# KiCad board main - copyOK.kicad_pcb (continued)
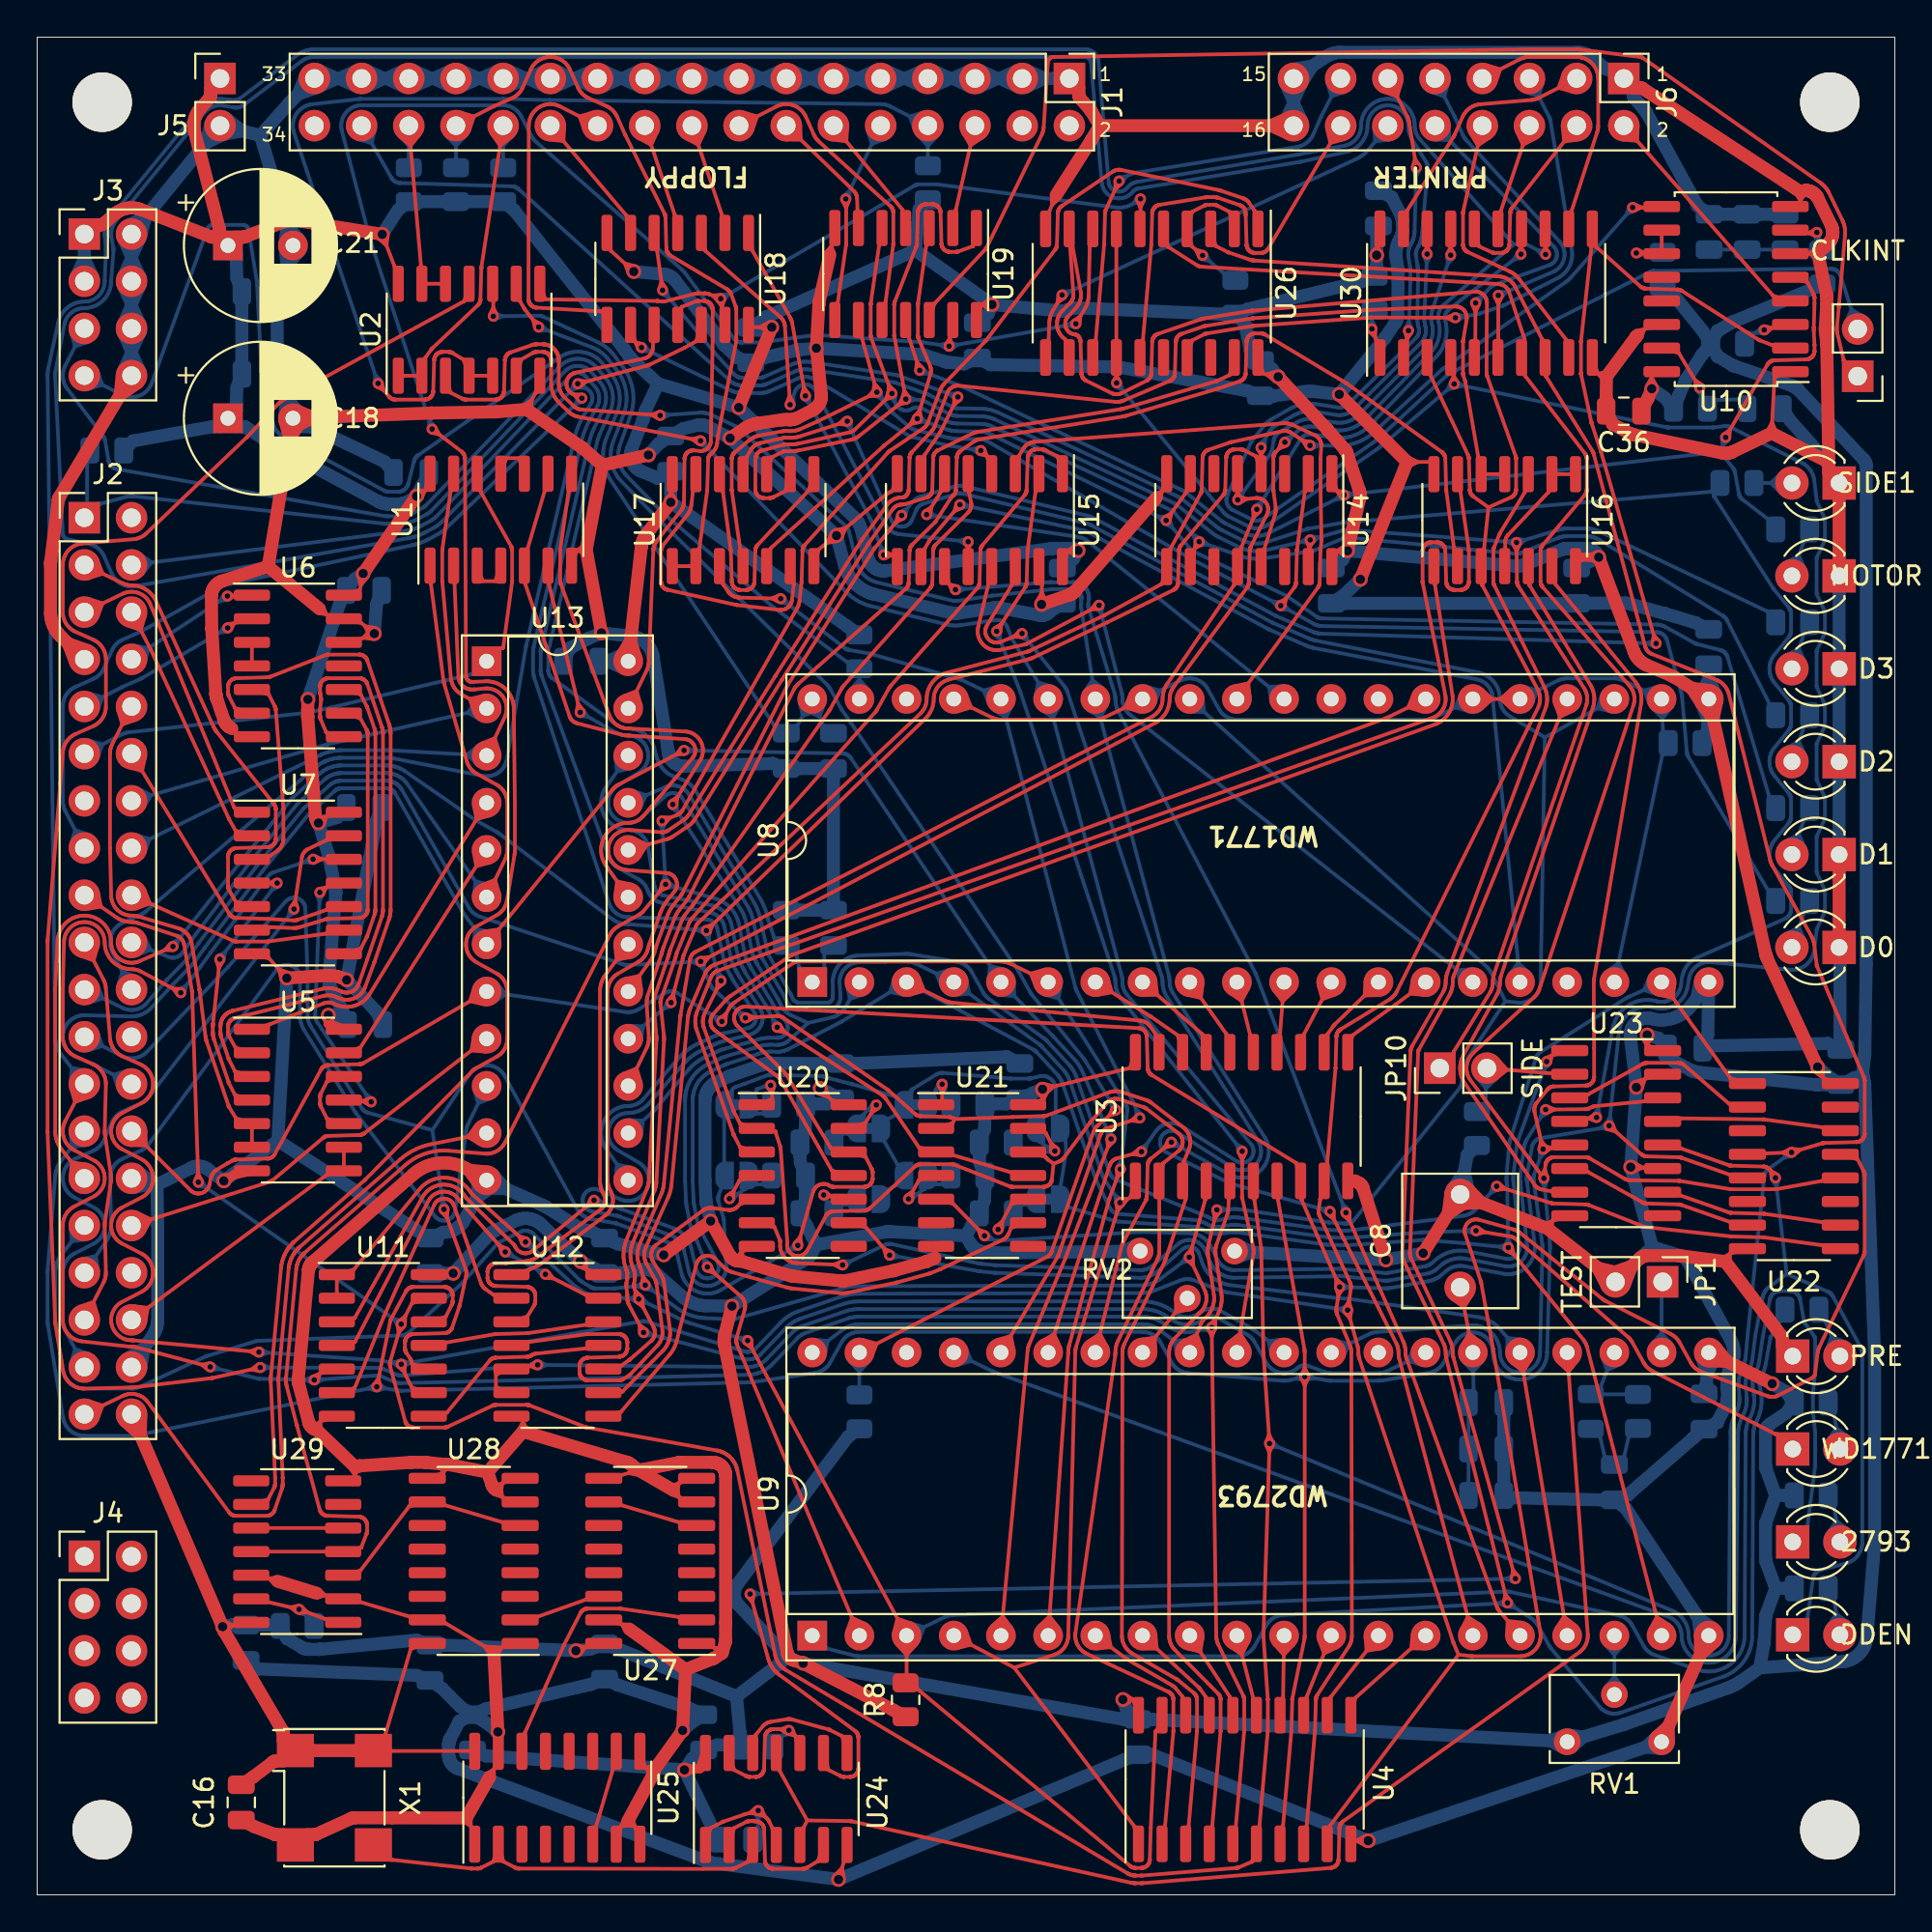
[diagram p0: board, top side]
## Routing (per net, layer and track width the routed paths; a pad name or vN(x,y) marks a point on that pad's centre or on a via; arc(x,y) is an arc through that point) (continued)
~{CDDEN}: length 105.6
  Top w0.2: U23.12 88.49,40.18 91.06,39.28 91.08,39.27 91.12,39.26 91.14,39.26 91.16,39.26 91.21,39.25 92.92,39.2 92.97,39.2 92.99,39.2 93.02,39.19 93.05,39.18 93.08,39.17 93.12,39.15 93.14,39.14 93.17,39.13 93.2,39.11 93.22,39.09 93.23,39.08 93.25,39.05 93.27,39.03 93.28,39.02 93.3,38.99 v2(93.57,38.6) ; 93.38,38.56 93.3,38.99 93.68,38.77
  Bottom w0.2: 93.77,38.54 93.63,38.12 93.4,38.49 ; 94.18,33.42 96.38,32.47 96.44,32.44 96.46,32.43 96.48,32.42 96.52,32.39 96.54,32.37 96.56,32.36 96.59,32.32 96.61,32.3 96.62,32.29 96.65,32.25 96.66,32.22 98.1,29.58 98.13,29.53 98.15,29.48 98.17,29.43 98.19,29.38 98.21,29.32 98.22,29.27 98.23,29.22 98.24,29.16 98.25,29.11 98.25,29.05 98.25,29 98.25,19 98.25,18.93 98.24,18.86 98.23,18.79 98.22,18.72 98.2,18.66 98.18,18.59 98.15,18.53 98.12,18.46 98.09,18.4 98.06,18.34 98.02,18.28 97.97,18.23 97.93,18.18 97.88,18.13 97.83,18.08 97.77,18.04 97.72,18 97.66,17.96 97.6,17.93 97.53,17.89 97.47,17.87 97.4,17.85 97.34,17.83 96.03,17.5 95.97,17.48 95.95,17.47 95.93,17.47 95.88,17.44 95.86,17.43 95.85,17.42 ; 94.18,33.42 93.23,32.72 93.21,32.7 93.18,32.68 93.16,32.65 93.12,32.62 93.11,32.6 93.09,32.59 93.08,32.57 93.07,32.56 93.06,32.54 93.02,32.49 93.01,32.47 92.99,32.45 92.98,32.44 92.97,32.42 92.96,32.4 92.94,32.36 92.93,32.32 92.92,32.3 92.91,32.28 92.91,32.26 92.9,32.24 92.89,32.2 92.88,32.16 92.87,32.13 92.49,30.11 92.48,30.07 92.48,30.04 92.34,28.91 92.33,28.81 92.31,28.72 92.29,28.62 92.26,28.52 92.23,28.43 92.2,28.34 92.16,28.25 92.12,28.16 92.11,28.14 92.08,28.08 92.06,28.02 92.04,27.96 92.02,27.89 92,27.83 91.99,27.77 91.98,27.7 91.97,27.64 91.97,27.57 91.97,27.51 91.97,27.44 91.97,27.38 91.98,27.36 92.02,26.86 92.03,26.81 92.03,26.79 92.03,26.76 92.03,26.73 92.03,26.7 92.03,26.68 92.03,26.61 92.03,26.53 92.02,26.46 92.02,26.39 92,26.32 91.99,26.25 91.97,26.18 91.95,26.11 91.93,26.04 91.9,25.97 91.87,25.91 91.84,25.86 91.81,25.8 91.8,25.77 91.78,25.74 91.77,25.71 91.75,25.67 91.72,25.59 91.69,25.51 91.66,25.43 91.63,25.34 91.61,25.26 91.59,25.17 91.58,25.08 91.57,25 91.56,24.91 91.56,24.82 91.44,13.94 91.44,13.85 91.43,13.76 91.41,13.67 91.39,13.58 91.37,13.49 91.33,13.4 91.3,13.32 91.25,13.24 91.21,13.16 91.16,13.09 91.1,13.01 91.04,12.95 90.97,12.88 90.9,12.82 90.83,12.77 90.76,12.72 90.68,12.67 90.59,12.63 90.51,12.59 90.42,12.56 90.34,12.54 90.25,12.52 90.16,12.51 90.07,12.5 89.97,12.5 89.88,12.5 89.79,12.51 89.7,12.52 89.61,12.54 89.52,12.57 89.44,12.6 89.36,12.64 89.27,12.68 89.2,12.72 89.12,12.78 89.05,12.83 88.98,12.89 88.92,12.96 88.85,13.03 88.8,13.1 88.75,13.18 88.7,13.25 88.66,13.34 88.62,13.42 88.59,13.51 88.57,13.59 88.55,13.68 88.53,13.77 88.52,13.86 88.52,13.95 88.52,14.01 88.52,14.07 88.51,14.13 88.5,14.19 88.48,14.25 88.46,14.31 88.44,14.36 88.42,14.42 88.39,14.47 88.36,14.52 88.33,14.57 88.29,14.62 88.25,14.67 88.21,14.71 88.17,14.75 88.12,14.79 88.07,14.83 88.03,14.86 87.97,14.89 87.92,14.92 87.87,14.95 87.81,14.97 51.5,28.15 51.48,28.16 51.46,28.17 51.44,28.18 51.42,28.19 51.4,28.2 U9.37 ; 94.18,33.42 v2(93.57,38.6) ; D4.1 95.3,14.8 95.3,14.9 95.3,14.91 95.6,17.04 95.6,17.07 95.62,17.13 95.63,17.15 95.63,17.17 95.66,17.22 95.67,17.24 95.68,17.25 95.71,17.3 95.73,17.32 95.74,17.33 95.78,17.37 95.8,17.39 95.81,17.4 95.85,17.42 ; 49.54,28.52 50.28,28.74 49.99,29.45
~{DENSEL}: length 29.2
  Top w0.2: 24.3,33.74 24.28,33.71 24.27,33.68 24.26,33.67 24.26,33.63 24.25,33.61 24.25,33.56 24.25,33.54 24.25,33.24 24.25,33.21 24.25,33.17 24.25,33.15 24.26,33.13 24.27,33.1 24.28,33.07 24.28,33.05 ; 31.12,51.1 31.19,50.33 31.95,50.48 ; 24.29,33.74 24.31,33.77 24.32,33.79 24.34,33.82 24.36,33.84 24.38,33.86 24.4,33.88 24.42,33.9 24.46,33.93 24.48,33.94 24.52,33.96 24.55,33.97 24.57,33.98 24.61,33.99 24.63,33.99 24.69,34 24.71,34 25.19,34 25.22,34 25.25,34 25.26,34 26.4,34.13 26.45,34.14 26.5,34.15 26.55,34.16 26.6,34.17 26.64,34.19 26.69,34.2 26.73,34.22 26.78,34.25 26.82,34.27 26.86,34.3 26.9,34.33 30.34,36.9 30.37,36.93 30.4,36.95 30.42,36.97 30.44,37 30.47,37.03 30.49,37.06 30.51,37.09 30.52,37.12 30.54,37.15 30.55,37.18 30.56,37.22 30.57,37.25 30.58,37.29 30.58,37.32 30.59,37.36 30.59,37.39 30.59,37.43 30.58,37.46 30.58,37.5 30.57,37.53 30.56,37.57 30.55,37.6 30.54,37.63 30.52,37.67 30.5,37.7 30.5,37.7 30.47,37.77 30.43,37.83 30.41,37.9 30.38,37.97 30.36,38.04 30.34,38.11 30.32,38.18 30.31,38.25 30.3,38.32 30.3,38.39 30.3,38.47 30.3,48.63 30.3,48.7 30.3,48.78 30.31,48.85 30.33,48.92 30.34,49 30.36,49.07 30.39,49.14 30.41,49.21 30.44,49.28 30.48,49.35 30.51,49.41 30.55,49.47 30.6,49.54 U13.18 ; 24.28,33.05 24.3,33.02 24.31,33 24.34,32.96 24.35,32.94 24.37,32.92 24.4,32.9 24.42,32.88 24.43,32.87 ; U12.3 26.39,31.14 26.4,31.15 26.75,31.73 26.77,31.76 26.78,31.79 26.79,31.82 26.8,31.83 26.81,31.87 26.81,31.89 26.81,31.91 26.82,31.96 26.82,31.97 26.82,32.27 26.82,32.29 26.81,32.33 26.81,32.35 26.8,32.37 26.79,32.41 26.79,32.43 26.78,32.45 26.76,32.48 26.75,32.5 26.74,32.52 26.72,32.55 26.7,32.57 26.69,32.58 26.67,32.61 26.65,32.62 26.61,32.65 26.59,32.66 26.56,32.68 26.53,32.69 26.5,32.7 26.49,32.71 26.45,32.72 26.43,32.72 26.37,32.73 26.37,32.73 24.7,32.78 24.68,32.78 24.64,32.78 24.62,32.78 24.6,32.79 24.57,32.8 24.54,32.81 24.52,32.81 24.49,32.83 24.47,32.84 24.45,32.85 24.43,32.87
~{F_EXMEM}: length 86.7
  Bottom w0.2: 36.39,46.19 36.29,46.15 36.25,46.13 35.57,45.82 35.5,45.78 35.44,45.75 35.37,45.72 35.31,45.68 35.25,45.64 35.19,45.6 35.1,45.54 35.02,45.49 34.95,45.43 34.88,45.38 34.81,45.32 34.74,45.26 34.67,45.19 ; 26.7,65.83 26.7,65.87 26.69,65.91 26.69,65.93 26.69,66.88 26.7,66.92 26.7,66.96 26.7,67.03 26.71,67.05 26.71,67.08 26.71,67.1 26.72,67.13 26.72,67.16 26.73,67.18 29.33,78.34 29.36,78.48 29.4,78.61 29.45,78.74 29.5,78.87 29.55,79 29.61,79.13 29.68,79.25 30.14,80.12 30.17,80.17 30.19,80.22 30.21,80.26 30.22,80.31 30.24,80.37 30.25,80.42 30.25,80.47 30.26,80.52 30.26,80.57 30.26,80.62 30.25,80.68 30.24,80.73 30.23,80.78 30.22,80.83 30.2,80.88 30.18,80.93 30.16,80.98 30.14,81.02 30.11,81.07 30.08,81.11 30.05,81.15 30.02,81.19 29.53,81.73 29.51,81.76 29.48,81.78 29.46,81.8 29.43,81.82 29.4,81.84 29.37,81.86 29.34,81.87 29.31,81.89 29.28,81.9 29.24,81.91 29.21,81.91 29.18,81.92 29.14,81.92 29.11,81.92 29.07,81.92 29.04,81.92 29.01,81.92 28.97,81.91 28.94,81.9 28.91,81.89 28.88,81.88 28.84,81.86 28.81,81.85 28.78,81.83 28.76,81.81 28.73,81.79 28.7,81.77 28.68,81.74 21.53,74.24 21.49,74.2 21.44,74.16 21.4,74.12 21.35,74.08 21.3,74.04 21.25,74.01 21.2,73.98 21.15,73.95 20.72,73.72 20.69,73.7 20.66,73.68 20.62,73.67 20.59,73.65 20.55,73.63 20.49,73.6 20.42,73.58 20.36,73.55 20.29,73.53 20.22,73.51 20.15,73.49 20.11,73.48 20.05,73.46 20,73.45 19.94,73.44 19.89,73.43 19.83,73.42 19.78,73.41 J2.4 ; 26.7,65.83 26.7,65.78 26.71,65.75 26.71,65.72 26.72,65.69 26.72,65.66 26.73,65.63 26.74,65.57 26.75,65.53 26.76,65.5 26.77,65.49 30.79,53.37 30.81,53.31 30.84,53.25 30.86,53.2 30.89,53.14 30.93,53.09 30.96,53.04 31,53 31.04,52.95 31.09,52.91 31.14,52.87 31.18,52.83 31.23,52.8 31.29,52.76 31.34,52.74 31.4,52.71 31.45,52.69 31.51,52.67 31.57,52.65 31.63,52.64 31.69,52.63 31.75,52.63 31.82,52.63 31.86,52.63 36.04,52.5 36.08,52.5 36.11,52.5 36.14,52.49 36.17,52.48 36.21,52.47 36.24,52.46 36.27,52.45 36.3,52.43 36.33,52.42 36.36,52.4 36.38,52.38 36.41,52.36 36.43,52.34 36.46,52.32 36.48,52.29 36.5,52.27 36.52,52.24 36.54,52.21 36.55,52.18 36.57,52.15 36.58,52.12 36.59,52.09 36.6,52.06 36.61,52.03 36.89,50.69 36.9,50.64 36.96,50.35 36.99,50.24 37.02,50.14 37.06,50.03 37.1,49.93 37.14,49.83 37.19,49.73 37.24,49.63 37.3,49.53 37.32,49.5 37.34,49.47 37.35,49.44 37.38,49.38 37.42,49.31 37.45,49.25 37.49,49.19 37.53,49.14 38.6,47.52 38.62,47.49 38.63,47.46 38.64,47.43 38.66,47.4 38.67,47.37 38.68,47.34 38.68,47.3 38.69,47.27 38.69,47.24 38.69,47.2 38.69,47.17 38.69,47.14 38.68,47.1 38.68,47.07 38.67,47.04 38.66,47.01 38.64,46.98 38.63,46.95 38.61,46.92 38.59,46.89 38.58,46.86 38.55,46.84 38.53,46.81 38.51,46.79 38.48,46.77 38.46,46.75 38.43,46.73 38.4,46.71 38.37,46.7 38.34,46.68 38.31,46.67 38.28,46.66 38.25,46.65 36.97,46.38 36.88,46.36 36.8,46.34 36.71,46.32 36.63,46.29 36.55,46.26 36.47,46.23 36.39,46.19 ; 31.12,38.55 31.22,39.32 31.97,39.15 ; U13.13 30.62,40.17 30.57,40.24 30.53,40.32 30.49,40.4 30.45,40.48 30.43,40.56 30.4,40.65 30.38,40.73 30.37,40.82 30.36,40.91 30.36,41 30.36,41.09 30.37,41.17 30.38,41.26 30.4,41.35 30.42,41.43 30.45,41.52 30.48,41.6 30.52,41.68 30.56,41.76 30.61,41.83 30.66,41.9 30.72,41.97 30.78,42.04 30.84,42.1 30.91,42.15 30.98,42.21 31.06,42.25 31.14,42.3 31.21,42.34 31.3,42.37 31.38,42.4 31.47,42.42 31.55,42.44 31.64,42.46 31.73,42.46 31.82,42.47 31.87,42.47 31.93,42.47 31.99,42.48 32.05,42.49 32.1,42.5 32.16,42.52 32.21,42.54 32.27,42.56 32.32,42.59 32.37,42.62 32.42,42.65 32.47,42.68 32.51,42.72 32.56,42.76 32.6,42.8 32.64,42.84 34.45,44.96 34.48,44.99 34.51,45.02 34.54,45.06 34.57,45.09 34.6,45.12 34.67,45.19 ; 5.53,72.19 6.16,71.72 5.66,71.11
~{F_INT}: length 263.7
  Top w0.2: 29.14,81.54 29.56,81.46 29.23,81.19 ; v2(29.1,81.34) 32.79,82.31 32.82,82.32 32.85,82.33 32.89,82.34 32.92,82.35 32.95,82.36 32.98,82.38 34.84,83.28 34.86,83.29 35.47,83.62 U18.12
  Bottom w0.2: 98.36,84.95 97.67,85.33 97.32,84.61 ; 29.26,81.46 29.52,81.11 29.08,81.14 ; 1.62,72.98 2.79,72.72 2.85,72.71 2.9,72.69 2.96,72.67 3.02,72.65 3.07,72.62 3.12,72.59 3.17,72.56 3.22,72.53 3.27,72.49 3.32,72.45 3.36,72.41 3.4,72.36 3.44,72.32 3.48,72.27 3.51,72.22 3.54,72.17 3.57,72.12 3.6,72.06 4.02,71.12 4.05,71.06 4.08,71 4.12,70.94 4.16,70.89 4.2,70.84 4.24,70.79 4.29,70.74 4.34,70.7 4.39,70.65 4.45,70.62 4.51,70.58 4.56,70.55 4.63,70.52 4.69,70.5 4.75,70.48 4.82,70.46 4.88,70.45 4.95,70.44 5.01,70.43 5.08,70.43 5.15,70.43 5.21,70.44 5.28,70.45 19.97,73.03 20.02,73.04 20.07,73.05 20.12,73.06 20.17,73.07 20.22,73.08 20.26,73.09 20.34,73.11 20.42,73.14 20.5,73.17 20.57,73.2 20.65,73.23 20.73,73.26 20.77,73.28 20.8,73.3 20.84,73.32 20.88,73.34 20.91,73.36 21.34,73.59 21.41,73.62 21.47,73.66 21.53,73.7 21.59,73.74 21.64,73.79 21.7,73.83 21.75,73.88 21.81,73.93 v2(29.1,81.34) 29.6,81.06 29.63,81.04 29.66,81.03 29.68,81.01 29.71,80.99 29.73,80.96 29.75,80.94 29.77,80.91 29.79,80.89 29.81,80.86 29.82,80.83 29.84,80.8 29.85,80.77 29.86,80.74 29.87,80.71 29.88,80.68 29.88,80.65 29.89,80.61 29.89,80.58 29.89,80.55 29.89,80.52 29.88,80.49 29.88,80.45 29.87,80.42 29.86,80.39 29.85,80.36 29.84,80.33 29.82,80.3 29.81,80.27 29.41,79.62 29.33,79.48 29.26,79.34 29.19,79.19 29.12,79.04 29.07,78.9 29.02,78.74 28.97,78.59 28.93,78.43 26.33,67.27 26.32,67.23 26.31,67.18 ; 5.33,49.44 4.58,49.7 4.36,48.94 ; J2.22 4.05,50.74 4.02,50.8 3.99,50.86 3.97,50.93 3.95,50.99 3.94,51.06 3.93,51.12 3.92,51.19 3.92,51.26 3.92,51.33 3.93,51.39 3.94,51.46 3.95,51.53 3.97,51.59 3.99,51.66 4.01,51.72 4.04,51.78 4.07,51.84 4.1,51.9 4.14,51.95 4.18,52.01 4.23,52.06 4.27,52.1 4.32,52.15 4.38,52.19 4.43,52.23 4.49,52.27 4.55,52.3 4.61,52.33 5.55,52.75 5.59,52.77 5.63,52.79 5.66,52.81 5.7,52.83 5.73,52.85 5.77,52.87 5.8,52.9 5.83,52.93 14.97,60.69 15,60.71 15.02,60.73 15.05,60.75 15.08,60.77 15.13,60.81 15.15,60.82 15.2,60.85 15.24,60.88 15.29,60.91 15.34,60.94 15.39,60.97 15.44,60.99 15.49,61.01 15.54,61.04 15.59,61.06 15.64,61.08 15.69,61.09 15.74,61.11 15.8,61.13 15.85,61.14 15.9,61.15 15.95,61.16 16.01,61.17 16.06,61.18 16.12,61.19 16.17,61.2 16.22,61.2 16.26,61.2 16.29,61.21 16.32,61.21 16.36,61.21 16.39,61.21 18.79,61.21 18.83,61.21 18.86,61.21 18.89,61.21 18.93,61.2 18.99,61.2 19.01,61.2 19.05,61.19 19.09,61.19 19.13,61.18 19.17,61.18 19.21,61.17 23.98,60.24 24.05,60.23 24.11,60.22 24.18,60.22 24.24,60.22 24.31,60.22 24.38,60.23 24.44,60.24 24.5,60.26 24.57,60.28 24.63,60.3 24.69,60.33 24.74,60.36 24.8,60.39 24.85,60.43 24.91,60.47 24.96,60.52 25,60.56 25.05,60.61 25.09,60.66 25.12,60.72 25.16,60.77 25.19,60.83 25.22,60.89 25.24,60.95 25.26,61.01 25.28,61.08 25.29,61.14 26.31,67.18 ; JP11.2 97.08,87.15 97.07,87.18 97.04,87.24 97.03,87.26 97.02,87.28 96.99,87.32 96.97,87.34 96.96,87.35 96.92,87.39 96.9,87.41 96.89,87.42 96.84,87.45 96.82,87.46 96.81,87.47 96.76,87.49 96.73,87.5 96.72,87.51 96.66,87.52 96.64,87.53 96.62,87.53 96.57,87.53 96.55,87.53 95.64,87.53 87.05,87.41 87.02,87.41 86.97,87.4 86.94,87.4 86.9,87.39 86.87,87.38 86.85,87.37 86.83,87.37 86.78,87.34 76,81.87 75.98,81.86 75.97,81.85 75.95,81.84 75.93,81.83 75.91,81.82 75.9,81.8 75.88,81.79 75.87,81.78 72.24,78.44 72.19,78.39 72.13,78.34 72.07,78.3 72.02,78.25 71.96,78.21 71.9,78.17 66,74.08 65.97,74.06 65.94,74.05 65.91,74.03 65.88,74.02 65.85,74 65.82,73.99 65.78,73.99 65.75,73.98 65.72,73.98 65.68,73.97 65.65,73.97 65.61,73.97 65.58,73.98 65.55,73.98 65.51,73.99 65.48,74 65.45,74.01 65.42,74.02 65.39,74.04 64.36,74.54 64.32,74.56 64.29,74.58 64.26,74.6 64.24,74.62 64.21,74.65 64.18,74.67 64.16,74.7 64.14,74.73 64.12,74.76 64.1,74.79 64.08,74.82 64.07,74.85 64.05,74.88 64.04,74.92 64.03,74.95 64.03,74.99 64.02,75.02 64.02,75.06 64.02,75.1 64.02,75.13 64.02,75.17 64.03,75.2 64.03,75.24 64.04,75.27 64.06,75.31 64.07,75.34 65.33,78.16 65.34,78.18 65.35,78.2 65.36,78.22 65.37,78.24 65.38,78.25 65.39,78.27 65.41,78.29 66.05,79.09 66.09,79.14 66.13,79.18 66.17,79.22 66.22,79.26 66.26,79.3 66.31,79.34 66.36,79.37 66.41,79.41 66.46,79.44 67.4,79.98 67.5,80.03 67.6,80.07 67.69,80.12 67.8,80.15 67.9,80.19 68,80.21 68.11,80.24 68.22,80.25 68.32,80.26 68.43,80.27 68.54,80.27 68.65,80.27 68.76,80.26 68.86,80.24 69.98,80.07 70.02,80.06 70.06,80.06 70.1,80.06 70.14,80.06 70.18,80.07 70.21,80.07 70.25,80.08 70.29,80.09 70.33,80.1 70.36,80.11 70.4,80.13 70.43,80.15 70.47,80.17 70.5,80.19 70.53,80.21 70.56,80.24 70.59,80.26 ; 70.59,80.26 74.22,83.8 74.24,83.82 74.26,83.84 74.28,83.87 74.3,83.9 74.31,83.92 74.33,83.95 74.34,83.98 74.35,84.01 74.36,84.04 74.37,84.07 74.38,84.1 74.38,84.13 74.39,84.16 74.39,84.2 74.39,84.23 74.39,84.26 74.38,84.29 74.38,84.32 74.37,84.35 74.36,84.37 74.35,84.44 74.33,84.51 74.32,84.58 74.31,84.65 74.3,84.72 74.3,84.79 74.3,84.86 74.3,84.93 74.33,86.84 74.33,86.87 74.33,87.39 74.33,87.42 74.33,87.45 74.33,87.48 74.33,87.51 74.32,87.54 74.32,87.6 74.31,87.65 74.31,87.69 74.22,88.23 74.22,88.26 74.22,88.29 74.21,88.32 74.21,88.35 74.22,88.38 74.22,88.41 74.23,88.44 74.23,88.47 74.24,88.5 74.25,88.53 74.26,88.56 74.27,88.58 74.29,88.61 74.33,88.69 74.35,88.73 74.37,88.78 74.39,88.82 74.41,88.86 74.43,88.9 74.44,88.95 74.46,88.99 74.47,89.04 74.49,89.08 74.5,89.12 74.51,89.17 74.52,89.22 74.53,89.26 74.54,89.31 74.54,89.35 74.55,89.4 74.55,89.45 74.85,92.92 74.85,92.95 74.85,92.98 74.85,93.01 74.85,93.04 74.85,93.07 74.84,93.1 74.83,93.13 74.82,93.16 74.81,93.19 74.8,93.22 74.79,93.25 74.78,93.27 74.76,93.3 74.03,94.47 73.99,94.53 73.96,94.59 73.93,94.65 73.91,94.71 73.88,94.77 73.86,94.84 73.85,94.9 73.83,94.97 73.82,95.03 73.81,95.1 73.81,95.17 73.81,95.23 73.8,95.3 73.8,95.37 73.79,95.44 73.77,95.5 73.76,95.57 73.73,95.63 73.71,95.69 73.68,95.75 73.64,95.81 73.61,95.87 73.56,95.92 73.52,95.97 73.47,96.02 73.42,96.07 73.37,96.11 73.32,96.15 73.26,96.18 73.2,96.22 73.14,96.24 73.07,96.27 73.01,96.29 72.94,96.31 72.88,96.32 72.81,96.33 72.74,96.33 72.68,96.33 72.61,96.33 72.54,96.32 72.48,96.31 72.41,96.29 72.35,96.27 72.28,96.24 72.22,96.22 72.16,96.18 72.1,96.15 72.05,96.11 72,96.07 71.95,96.02 71.9,95.97 71.86,95.92 71.81,95.87 71.78,95.81 71.74,95.75 71.71,95.69 71.69,95.63 71.66,95.57 71.65,95.5 71.63,95.44 71.62,95.37 71.62,95.3 71.61,95.23 71.61,95.15 71.6,95.07 71.59,94.99 71.58,94.91 71.56,94.83 71.53,94.75 71.5,94.68 71.47,94.6 71.43,94.53 71.39,94.46 71.34,94.39 71.29,94.33 71.24,94.27 71.18,94.21 71.12,94.15 71.06,94.1 71,94.05 70.93,94.01 70.86,93.97 70.78,93.93 70.71,93.9 70.63,93.87 70.55,93.84 70.48,93.82 68.05,93.3 68,93.29 67.95,93.28 59.3,91.86 59.27,91.85 59.24,91.84 59.22,91.84 59.19,91.83 59.16,91.81 59.14,91.8 59.11,91.79 59.09,91.77 59.06,91.76 59.04,91.74 59.02,91.72 59,91.7 58.98,91.68 58.95,91.65 58.91,91.61 58.87,91.57 58.83,91.53 58.79,91.5 58.74,91.47 58.69,91.44 58.64,91.41 58.59,91.39 58.54,91.37 58.49,91.35 58.43,91.34 58.38,91.33 58.32,91.33 58.26,91.32 58.21,91.32 58.15,91.33 58.1,91.33 58.04,91.34 57.99,91.36 57.93,91.37 57.88,91.39 57.83,91.42 57.78,91.44 57.73,91.47 57.68,91.5 57.64,91.54 57.6,91.58 57.56,91.62 57.52,91.66 57.49,91.7 57.46,91.75 57.43,91.8 57.4,91.85 57.38,91.9 57.36,91.95 57.34,92 57.33,92.06 57.32,92.11 57.31,92.17 56.72,98.65 56.72,98.67 56.72,98.69 56.71,98.7 56.71,98.72 56.7,98.74 56.7,98.75 56.69,98.77 56.68,98.79 56.67,98.8 56.66,98.81 56.65,98.83 56.64,98.84 56.62,98.85 56.61,98.87 56.6,98.88 56.58,98.89 56.57,98.9 56.55,98.9 56.54,98.91 56.52,98.92 56.5,98.92 56.49,98.93 56.47,98.93 56.45,98.93 56.43,98.93 56.42,98.94 14.92,98.94 14.87,98.93 14.81,98.93 14.75,98.92 14.69,98.91 14.64,98.9 14.58,98.88 14.53,98.86 14.47,98.84 14.42,98.82 14.37,98.79 14.32,98.76 14.27,98.73 14.22,98.7 11.13,96.35 11.1,96.33 11.07,96.31 11.04,96.29 11,96.27 10.97,96.26 10.93,96.25 10.9,96.23 10.86,96.22 10.82,96.22 10.79,96.21 10.75,96.21 10.71,96.2 10.68,96.21 10.64,96.21 10.6,96.21 10.56,96.22 10.05,96.31 9.99,96.32 9.93,96.33 9.87,96.33 9.81,96.33 9.75,96.33 9.7,96.32 9.64,96.31 9.58,96.3 9.52,96.28 9.47,96.26 9.41,96.24 9.36,96.22 9.31,96.19 9.26,96.16 9.21,96.13 9.16,96.09 9.12,96.06 9.07,96.02 9.03,95.97 9,95.93 4.23,90.09 4.2,90.05 4.16,90 4.13,89.96 4.11,89.91 4.08,89.86 4.06,89.8 4.04,89.75 4.02,89.7 4.01,89.64 4,89.59 3.99,89.53 3.99,89.48 3.98,89.42 3.98,89.37 3.99,89.31 3.99,89.25 4,89.2 4.1,88.68 4.1,88.66 4.11,88.63 4.11,88.6 4.11,88.57 4.11,88.55 4.11,88.52 4.11,88.49 3.99,86.95 3.98,86.91 3.98,86.88 3.98,86.86 3.98,86.78 3.97,86.69 3.96,86.61 3.94,86.53 3.92,86.45 3.9,86.37 3.87,86.29 3.83,86.21 3.79,86.14 3.75,86.07 3.7,86 3.65,85.93 3.59,85.87 3.53,85.81 3.47,85.75 3.4,85.7 3.33,85.65 3.26,85.61 3.19,85.57 3.11,85.53 3.03,85.5 2.95,85.48 2.87,85.46 2.79,85.44 2.71,85.43 2.62,85.42 2.48,85.41 2.41,85.41 2.35,85.4 2.29,85.39 2.23,85.37 2.17,85.35 2.11,85.33 2.05,85.3 2,85.27 1.94,85.24 1.89,85.2 1.84,85.16 1.79,85.12 1.75,85.08 1.71,85.03 1.67,84.98 1.63,84.93 1.6,84.88 1.57,84.82 1.54,84.77 1.51,84.71 1.49,84.65 1.48,84.59 1.46,84.52 1,82.07 0.99,82.02 0.98,81.97 0.98,81.92 0.97,81.86 0.97,81.81 0.97,81.76 0.97,81.7 1.38,73.27 1.38,73.25 1.38,73.23 1.39,73.21 1.39,73.2 1.4,73.18 1.4,73.16 1.41,73.15 1.42,73.13 1.43,73.12 1.44,73.1 1.45,73.09 1.46,73.07 1.47,73.06 1.48,73.05 1.5,73.04 1.51,73.03 1.53,73.02 1.54,73.01 1.56,73 1.57,72.99 1.59,72.99 1.61,72.98 1.62,72.98 ; 28.91,81.41 28.76,81 29.17,81.16
~{F_INUSE}: length 52.9
  Top w0.2: U18.10 33.16,83.64 33.16,83.54 33.16,83.53 33.14,83.25 33.14,83.21 33.13,83.18 33.12,83.15 33.12,83.11 33.1,83.08 33.09,83.05 33.08,83.02 33.06,82.99 33.04,82.96 33.02,82.93 33,82.9 32.98,82.88 32.96,82.85 32.93,82.83 32.9,82.81 32.88,82.79 32.85,82.77 32.82,82.75 32.79,82.74 32.75,82.73 32.72,82.71 32.69,82.7 32.66,82.7 28.98,81.94 28.94,81.93 28.91,81.92 28.87,81.91 28.84,81.89 28.8,81.88 28.77,81.86 28.74,81.84 28.71,81.81 28.68,81.79 28.66,81.76 28.63,81.74 28.61,81.71 28.59,81.68 28.57,81.64 28.55,81.61 28.54,81.58 28.52,81.54 28.51,81.51 28.5,81.47 28.5,81.43 28.49,81.4 28.49,81.36 28.49,81.32 28.49,81.29 28.5,81.25 28.5,81.21 28.51,81.18 28.53,81.14 28.54,81.11 28.55,81.07 28.57,81.04 28.59,81.01 28.61,80.98 28.64,80.95 28.66,80.92 28.69,80.89 28.72,80.87 28.75,80.85 28.78,80.83 28.81,80.81 28.84,80.79 v2(29.32,80.57) ; 29.32,80.77 28.89,80.77 29.17,80.44
  Bottom w0.2: v2(29.32,80.57) 22.05,73.6 21.99,73.54 21.93,73.49 21.87,73.44 21.81,73.39 21.74,73.35 21.67,73.31 21.61,73.26 21.54,73.23 21.11,72.99 21.07,72.97 21.02,72.95 20.98,72.93 20.94,72.91 20.9,72.89 20.81,72.85 20.72,72.82 20.64,72.78 20.55,72.75 20.46,72.72 20.36,72.7 20.32,72.68 20.28,72.67 20.24,72.66 20.2,72.65 20.16,72.64 10.11,70.51 10.09,70.5 10.07,70.5 10.04,70.49 10.02,70.48 10,70.48 9.98,70.47 9.96,70.46 9.94,70.45 5.65,68.04 5.61,68.02 5.57,68 5.55,67.99 4.61,67.57 4.55,67.54 4.5,67.51 4.45,67.48 4.4,67.45 4.35,67.41 4.3,67.37 4.26,67.33 4.22,67.29 4.18,67.24 4.14,67.19 4.11,67.14 4.08,67.09 4.05,67.04 4.02,66.98 3.6,66.04 3.57,65.98 3.54,65.93 3.51,65.88 3.48,65.83 3.44,65.78 3.4,65.73 3.36,65.69 3.32,65.65 3.27,65.61 3.22,65.57 3.17,65.54 3.12,65.51 3.07,65.48 3.01,65.45 2.07,65.03 2.01,65 1.95,64.97 1.9,64.94 1.85,64.9 1.8,64.86 1.75,64.82 1.71,64.78 1.66,64.73 1.62,64.68 1.58,64.63 1.55,64.57 1.52,64.52 1.49,64.46 1.46,64.4 1.44,64.34 1.42,64.28 1.41,64.22 1.4,64.16 1.39,64.1 1.38,64.03 1.38,63.97 1.38,58.89 1.38,58.84 1.38,58.79 1.39,58.74 1.4,58.69 1.41,58.64 1.42,58.59 1.43,58.55 1.45,58.5 1.47,58.45 1.49,58.41 1.51,58.36 J2.15 ; 2.79,57.06 2.04,57.32 1.82,56.56 ; 29.14,80.64 28.97,80.23 29.39,80.38
~{F_IN}: length 51.3
  Top w0.2: U13.6 25.19,55.76 25.22,55.81 25.23,55.85 25.25,55.9 25.27,55.95 25.28,56 25.29,56.05 25.3,56.1 25.3,56.15 25.31,56.2 25.31,56.25 25.31,58.79 25.3,58.85 25.3,58.91 25.29,58.97 25.28,59.03 25.26,59.09 25.24,59.15 25.22,59.21 25.2,59.27 25.17,59.32 25.14,59.38 25.1,59.43 25.06,59.48 25.02,59.52 24.98,59.57 24.94,59.61 24.89,59.65 24.84,59.69 24.79,59.72 24.74,59.76 23.66,60.36 23.61,60.38 23.56,60.42 23.51,60.45 23.47,60.49 23.43,60.53 23.39,60.57 23.35,60.61 23.31,60.66 23.28,60.7 23.25,60.75 23.22,60.8 23.19,60.85 23.17,60.91 23.15,60.96 23.13,61.02 21.92,65.17 21.91,65.21 21.9,65.25 21.89,65.29 21.88,65.33 21.87,65.37 21.87,65.41 21.2,70.56 21.2,70.58 21.2,70.68 U1.1 ; 23.94,54.36 24.65,54.64 24.87,53.9
  Bottom w0.2: 23.5,53.79 23.6,54.56 24.35,54.39 ; 5.36,50.58 6.1,50.87 5.76,51.59 ; J2.20 7.09,50.48 7.12,50.47 7.15,50.46 7.19,50.45 7.22,50.45 7.26,50.45 7.29,50.44 7.33,50.44 7.36,50.45 7.4,50.45 7.43,50.46 7.47,50.46 7.5,50.47 7.53,50.49 7.57,50.5 7.6,50.51 7.63,50.53 7.66,50.55 7.69,50.57 7.71,50.59 7.74,50.62 7.76,50.64 7.79,50.67 7.81,50.7 8.34,51.44 8.36,51.47 11.45,55.57 11.48,55.61 11.49,55.63 13.96,58.66 13.98,58.7 14.01,58.73 14.04,58.76 14.07,58.79 14.1,58.82 14.13,58.84 15.48,60.04 15.5,60.06 15.52,60.08 15.54,60.09 15.56,60.11 15.62,60.15 15.65,60.17 15.67,60.19 15.7,60.2 15.73,60.22 15.76,60.23 15.79,60.25 15.83,60.27 15.86,60.28 15.89,60.29 15.92,60.31 15.95,60.32 15.98,60.33 16.04,60.34 16.06,60.35 16.09,60.35 16.12,60.36 16.15,60.37 16.18,60.37 16.21,60.38 16.27,60.38 16.31,60.39 16.35,60.39 16.39,60.39 18.79,60.39 18.83,60.39 18.87,60.39 18.94,60.38 18.97,60.38 19,60.37 19.03,60.37 19.06,60.36 19.09,60.35 19.15,60.34 19.17,60.33 19.2,60.33 19.23,60.32 19.26,60.3 19.29,60.29 19.32,60.28 19.35,60.27 19.4,60.25 19.43,60.23 19.45,60.22 19.48,60.2 19.51,60.19 19.54,60.17 19.56,60.15 19.6,60.12 19.63,60.1 19.66,60.08 19.68,60.06 19.71,60.04 19.73,60.02 19.75,60 19.78,59.97 19.81,59.94 19.83,59.92 19.85,59.9 19.87,59.87 19.89,59.84 19.91,59.82 U13.6
~{F_OUT}: length 35.1
  Top w0.2: 23.69,76.5 23.88,75.53 23.88,75.53 25.51,72.6 25.52,72.58 25.53,72.55 25.54,72.53 25.55,72.51 25.56,72.47 25.56,72.45 25.57,72.43 25.57,72.39 25.57,72.38 25.57,70.73 25.57,70.7 25.56,70.66 25.1,67.19 25.09,67.18 25.08,67.16 25.08,67.15 25.06,67.13 25.05,67.12 25.04,67.11 25.02,67.11 25,67.11 25,67.11 24.9,67.11 U13.1
  Bottom w0.2: U13.1 23.5,65.71 23.39,65.71 23.37,65.7 14.74,63.66 14.7,63.66 14.67,63.65 14.65,63.65 4.95,62.58 4.91,62.58 4.86,62.57 4.81,62.56 4.77,62.55 4.72,62.53 4.68,62.52 4.64,62.5 4.59,62.48 4.55,62.46 J2.11 ; 2.75,62.15 3.51,61.93 3.25,61.18
~{F_READ}: length 37.3
  Top w0.2: 24.86,61.53 24.64,62.27 23.93,61.97 ; U1.2 22.47,70.68 22.47,70.57 22.68,65.58 22.68,65.53 22.68,65.49 22.69,65.45 22.7,65.41 22.72,65.37 22.73,65.33 22.75,65.29 22.77,65.25 22.79,65.22 22.81,65.18 22.84,65.15 22.87,65.12 22.9,65.09 22.93,65.06 22.96,65.03 23,65.01 23.03,64.98 23.07,64.96 23.11,64.95 23.15,64.93 23.19,64.92 23.23,64.91 23.27,64.9 23.31,64.89 23.35,64.89 23.4,64.89 23.5,64.89 23.52,64.89 23.55,64.89 23.57,64.89 24.09,64.94 24.16,64.95 24.22,64.95 24.29,64.94 24.35,64.93 24.41,64.92 24.48,64.91 24.54,64.89 24.6,64.87 24.66,64.84 24.72,64.81 24.77,64.78 24.83,64.74 24.88,64.7 24.93,64.66 24.97,64.61 25.02,64.57 25.06,64.52 25.1,64.46 25.13,64.41 25.16,64.35 25.19,64.29 25.21,64.23 25.23,64.17 25.25,64.11 25.26,64.04 25.27,63.98 25.27,63.91 25.28,63.85 25.27,63.78 25.27,63.72 25.25,63.65 25.24,63.59 25.22,63.53 25.2,63.47 25.17,63.41 U13.3
  Bottom w0.2: U13.3 18.92,61.62 18.89,61.62 18.86,61.62 18.82,61.62 18.79,61.62 16.39,61.62 16.35,61.62 16.31,61.62 16.27,61.62 16.23,61.61 16.15,61.61 16.13,61.6 16.07,61.6 16,61.59 15.94,61.58 15.87,61.57 15.81,61.55 15.74,61.54 15.69,61.52 15.63,61.5 15.56,61.48 15.5,61.46 15.44,61.44 15.38,61.41 15.32,61.39 15.24,61.35 15.22,61.34 J2.16 ; 5.78,56.09 6.06,56.83 5.3,57.07 ; 23.75,61.87 23.16,61.38 23.7,60.83
~{F_SYSRES}: length 227.1
  Top w0.2: U9.19 83.44,29.47 83.42,29.52 83.41,29.56 83.39,29.61 83.37,29.65 83.35,29.7 83.33,29.74 83.31,29.78 83.28,29.82 83.25,29.86 83.22,29.9 v2(79.19,34.84) ; 87.3,48.45 88.05,48.29 88.14,49.05 ; 79.1,34.66 79.49,34.47 79.38,34.89 ; 87.83,14.54 87.18,14.96 86.82,14.28 ; U8.19 91.15,43.96 U22.1